# Altium PCB pico-fmeter-AS65-2.PcbDoc (part 1 of 3) (continued)
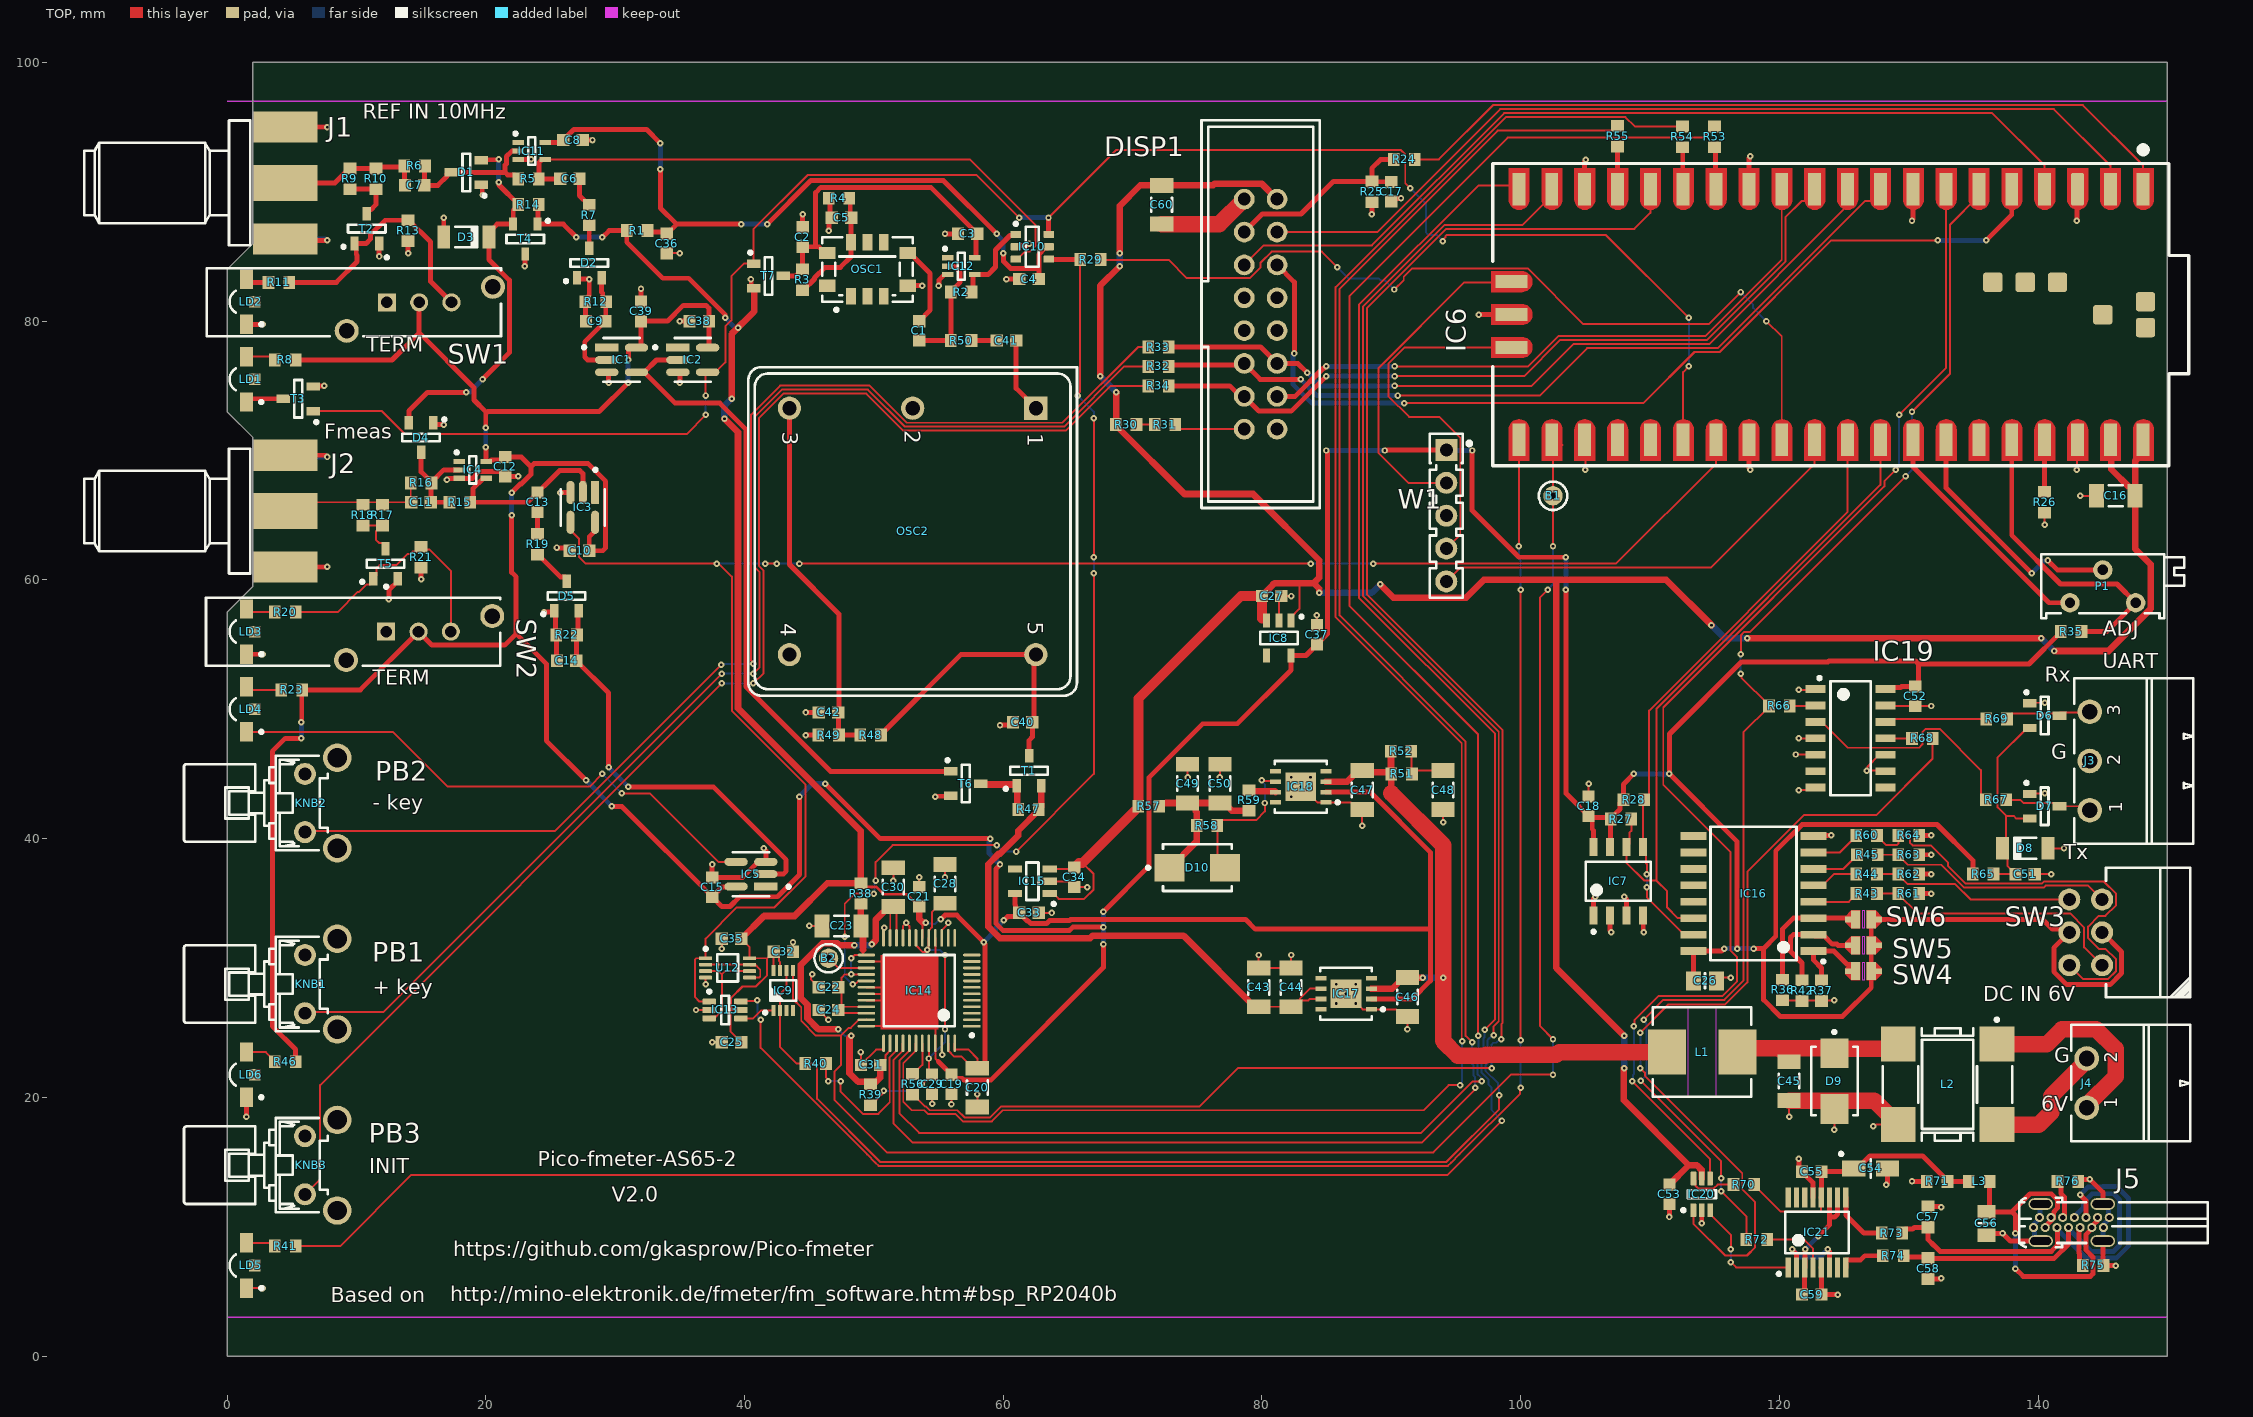
[diagram p0: TOP view]
## Components (designator, comment, footprint, x,y, rotation, side; value= is the part's Value field where it differs from the comment) (continued)
R18 "100" RESC1608X55N 10.5,65 r90 top
R19 "330" RESC1608X55N 24,62.75 r270 top
R20 "470" RESC1608X55N 4.5,57.5 r0 top
R21 "10k" RESC1608X55N 15,61.75 r90 top
R22 "1M" RESC1608X55N 26.25,55.75 r0 top
R23 "470" RESC1608X55N 5,51.5 r0 top
R24 "1k" RESC1608X55N 91,92.5 r0 top
R25 "330" RESC1608X55N 88.5,90 r90 top
R26 "0" RESC1608X55N 140.5,66 r270 top
R27 "3k3" RESC1608X55N 107.75,41.5 r180 top
R28 "3k3" RESC1608X55N 108.75,43 r180 top
R29 "Undefined" RESC1608X55N 66.75,84.75 r180 top
R30 "100" RESC1608X55N 69.5,72 r0 top
R31 "100" RESC1608X55N 72.5,72 r0 top
R32 "3k3" RESC1608X55N 72,76.5 r0 top
R33 "3k3" RESC1608X55N 72,78 r0 top
R34 "3k3" RESC1608X55N 72,75 r0 top
R35 "0" RESC1608X55N 142.55,56 r180 top
R36 "10k" RESC1608X55N 120.25,28.3 r90 top
R37 "10k" RESC1608X55N 123.25,28.25 r90 top
R38 "10" RESC1608X55N 49,35.75 r90 top
R39 "10" RESC1608X55N 49.75,20.2 r90 top
R40 "3k3" RESC1608X55N 45.5,22.612 r0 top
R41 "470" RESC1608X55N 4.5,8.5 r0 top
R42 "10k" RESC1608X55N 121.75,28.25 r90 top
R43 "470" RESC1608X55N 126.75,35.75 r0 top
R44 "470" RESC1608X55N 126.75,37.25 r0 top
R45 "470" RESC1608X55N 126.8,38.75 r0 top
R46 "470" RESC1608X55N 4.5,22.75 r0 top
R47 "10k" RESC1608X55N 61.95,42.25 r0 top
R48 "10k" RESC1608X55N 49.75,48 r0 top
R49 "10k" RESC1608X55N 46.5,48 r0 top
R50 "330" RESC1608X55N 56.75,78.5 r0 top
R51 "1" RESC1608X55N 90.8,45 r180 top
R52 "1" RESC1608X55N 90.75,46.75 r180 top
R53 "33" RESC1608X55N 115,94.25 r270 top
R54 "33" RESC1608X55N 112.5,94.25 r270 top
R55 "33" RESC1608X55N 107.5,94.3 r270 top
R56 "33" RESC1608X55N 53,21 r90 top
R57 "0" RESC1608X55N 71.25,42.5 r180 top
R58 "Undefined" RESC1608X55N 75.75,41 r180 top
R59 "470" RESC1608X55N 79,42.95 r270 top
R60 "470" RESC1608X55N 126.75,40.25 r0 top
R61 "10k" RESC1608X55N 130,35.75 r180 top
R62 "10k" RESC1608X55N 130,37.25 r180 top
R63 "10k" RESC1608X55N 130,38.75 r180 top
R64 "10k" RESC1608X55N 130,40.25 r180 top
R65 "470" RESC1608X55N 135.75,37.25 r180 top
R66 "470" RESC1608X55N 120,50.25 r0 top
R67 "330" RESC1608X55N 136.75,43 r0 top
R68 "470" RESC1608X55N 131.05,47.75 r0 top
R69 "330" RESC1608X55N 136.8,49.25 r0 top
R70 "470" RESC1608X55N 117.25,13.25 r0 top
R71 "470" RESC1608X55N 132.2,13.5 r0 top
R72 "470" RESC1608X55N 118.25,9 r0 top
R73 "27" RESC1608X55N 128.7,9.5 r0 top
R74 "27" RESC1608X55N 128.8,7.75 r0 top
R75 "5k1" RESC1608X55N 144.25,7 r180 top
R76 "5k1" RESC1608X55N 142.3,13.5 r0 top
SW1 "LC1258EENP" FP-LC1258EENP-MFG 9.8,81.45 r180 top locked
SW2 "LC1258EENP" FP-LC1258EENP-MFG 9.75,56 r180 top locked
SW3 "HEX" SW_APEM_PT65106L254 148.5,32.75 r180 top
SW4 "Switch" JUMPSMD0805_G50 126.5,29.75 r180 top
SW5 "Switch" JUMPSMD0805_G50 126.5,31.75 r180 top
SW6 "Switch" JUMPSMD0805_G50 126.5,33.75 r180 top
T1 "BSS84LT1G" SOT95P240X110-3N 62,45.25 r90 top
T2 "BSS138LT1G" SOT95P240X110-3N 10.8,87.15 r90 top
T3 "BSS138LT1G" SOT95P240X110-3N 5.5,74 r180 top
T4 "BC807-25" SOT95P230X110-3N 23.05,86.35 r270 top
T5 "BSS138LT1G" SOT95P240X110-3N 12.25,61.25 r90 top
T6 "BSS138LT1G" SOT95P240X110-3N 57.1,44.25 r0 top
T7 "BSS84LT1G" SOT95P240X110-3N 41.85,83.5 r0 top
U12 "SN74AUP2G80DCUR" DCU0008A_M 38.7,30 r0 top
W1 "Header 5" SAMTEC_HTSW-105-23-L-S 94.25,70.04 r270 top

## Footprints (in the part's own frame and the unit in brackets; to place one, negate y for a bottom-side part, rotate by r counter-clockwise, add the part's x,y. Pads: shape width x height; smd on the part's side, far side on the other; paste and mask are expansions set on the pad)
c150h50 [mm] "Plated Through Hole: Hole Dia.=0.5mm Pad Dia.=1.5mm"
  round 1.5 hole 0.5: 1(0,0)
  silkscreen extent -1.1,-1.1 1.1,1.1
CAPC1608X87N [mm] "Chip Capacitor, Body 1.6x0.8mm IPC Medium Density"
  rect 0.95x1 smd: 1(-0.8,0) 2(0.8,0)
  body extent -0.87,-0.47 0.88,0.48, height 0.87
CAPC1608X90N [mm] "Chip Capacitor, Body 1.6x0.8mm IPC Medium Density"
  rect 0.95x0.95 smd: 1(-0.75,0) 2(0.75,0)
  body extent -0.85,-0.45 0.85,0.45, height 0.9
CAPC2012X88N [mm] "Chip Capacitor, Body 2.0x1.25mm, IPC Medium Density"
  rect 1.15x1.45 smd: 1(-0.9,0) 2(0.9,0)
  silkscreen extent 0,-0.58 0,0.58, body extent -1.05,-0.67 1.05,0.68, height 0.9
CAPC2012X135N [mm] "Chip Capacitor, Body 2.0x1.25mm, IPC Medium Density"
  rect 1.05x1.4 smd: 1(-0.9,0) 2(0.9,0)
  silkscreen extent 0,-0.58 0,0.58, body extent -1.05,-0.67 1.05,0.68, height 1.25
CAPC3216X180N [mm] "Chip Capacitor, Body 3.2x1.6mm, IPC Medium Density"
  rect 1.15x1.8 smd: 1(-1.5,0) 2(1.5,0)
  silkscreen extent -0.55,-0.8 0.55,0.8, body extent -1.7,-0.9 1.7,0.9, height 1.8
CAPMP3216X180N [mm] "Capacitor, Polarized, Molded  Body 3.2x1.6mm, IPC Medium Density"
  rect 1.8x1.25 smd: 1(-1.3,0) 2(1.3,0)
  silkscreen extent -2.4,-0.7 0,1.25, body extent -1.7,-0.9 1.7,0.9, height 1.6
DBV0006A_L [mm] "SOT23, 6-Leads, Body 3.05x1.75mm, Pitch 0.95mm, IPC High Density"
  rrect18% 0.8x0.55 smd: 1(-1.275,0.95) 2(-1.275,0) 3(-1.275,-0.95) 4(1.275,-0.95) 5(1.275,0) 6(1.275,0.95)
  silkscreen extent -1.4,-1.55 0.5,1.9, body extent -1.42,-1.46 1.42,1.46, height 1.11
DCK0006A_M [mm] "SOT23, 6-Leads, Body 2.15x1.4mm, Pitch 0.65mm, IPC Low Density"
  rrect22% 1.05x0.45 smd: 1(-1.225,0.65) 2(-1.225,0) 3(-1.225,-0.65) 4(1.225,-0.65) 5(1.225,0) 6(1.225,0.65)
  silkscreen extent -1.35,-1.1 0.3,1.55, body extent -1.14,-1 1.14,1, height 0.94
DCU0008A_M [mm] "SOP, 8-Leads, Body 2.4x2.1mm, Pitch 0.5mm, IPC Low Density"
  rrect33% 1x0.3 smd: 1(-1.7,0.75) 2(-1.7,0.25) 3(-1.7,-0.25) 4(-1.7,-0.75) 5(1.7,-0.75) 6(1.7,-0.25) 7(1.7,0.25) 8(1.7,0.75)
  silkscreen extent -1.82,-1.05 0.8,1.6, body extent -1.56,-1 1.56,1, height 0.9
DIOM5336X265N [mm] "DO-214-AA/SMB Diode, Molded Body; 5.34mm L X 3.625mm W X 2.65mm H, IPC Medium Density"
  rect 2.3x2.15 smd: 1(-2.15,0) 2(2.15,0)
  silkscreen extent -3.92,-1.8 2.65,1.8, body extent -2.7,-1.95 2.7,1.95, height 2.4
DIOMELF3515N [mm] "SOD80C, MELF Diode, 2-Leads, Body 3.5x1.5mm, IPC Medium Density"
  rect 1x1.75 smd: 1(-1.75,0) 2(1.75,0)
  silkscreen extent -0.85,-0.8 0.85,0.8, body extent -1.85,-0.8 1.85,0.8, height 1.6
FP-AS6501-FLQM-IPC_C [mm]
  rect 1.355x0.212 smd paste+0 mask+0: 1(-4.075,2.75)
  rrect100% 1.355x0.212 smd paste+0 mask+0: 2(-4.075,2.25) 3(-4.075,1.75) 4(-4.075,1.25) 5(-4.075,0.75) 6(-4.075,0.25) 7(-4.075,-0.25) 8(-4.075,-0.75) 9(-4.075,-1.25) 10(-4.075,-1.75) 11(-4.075,-2.25) 12(-4.075,-2.75) 25(4.075,-2.75) 26(4.075,-2.25) 27(4.075,-1.75) 28(4.075,-1.25) 29(4.075,-0.75) 30(4.075,-0.25) 31(4.075,0.25) 32(4.075,0.75) 33(4.075,1.25) 34(4.075,1.75) 35(4.075,2.25) 36(4.075,2.75)
  rrect100% 0.212x1.355 smd paste+0 mask+0: 13(-2.75,-4.075) 14(-2.25,-4.075) 15(-1.75,-4.075) 16(-1.25,-4.075) 17(-0.75,-4.075) 18(-0.25,-4.075) 19(0.25,-4.075) 20(0.75,-4.075) 21(1.25,-4.075) 22(1.75,-4.075) 23(2.25,-4.075) 24(2.75,-4.075) 37(2.75,4.075) 38(2.25,4.075) 39(1.75,4.075) 40(1.25,4.075) 41(0.75,4.075) 42(0.25,4.075) 43(-0.25,4.075) 44(-0.75,4.075) 45(-1.25,4.075) 46(-1.75,4.075) 47(-2.25,4.075) 48(-2.75,4.075)
  silkscreen extent -4.2,-2.75 2.75,3.58, body extent -4.85,-4.85 4.85,4.85, height 0.25
FP-DBV0005A-IPC_A [mm]
  rect 1.805x0.612 smd paste+0 mask+0: 1(-1.15,0.95)
  rrect100% 1.805x0.612 smd paste+0 mask+0: 2(-1.15,0) 3(-1.15,-0.95) 4(1.15,-0.95) 5(1.15,0.95)
  silkscreen extent -3.03,-1.7 1.4,1.7, body extent -2.55,-1.95 2.55,1.95, height 0.25
FP-LC1258EENP-MFG [mm]
  rect 1.4x1.4 hole 0.9 paste-2539.97 mask+0: 1(-2.55,0)
  round 1.4 hole 0.9 paste-2539.97 mask+0: 2(-5.05,0) 3(-7.55,0)
  round 1.85 hole 1.2 paste-2539.97 mask+0: 4(0.55,2.2) 5(-10.75,-1.2)
  silkscreen extent -11.37,-3.6 11.37,2.63, body extent -11.78,-2.73 11.48,3.22, height 0.25
FP-SO8N-SO-A-MFG [mm]
  rect 1.4x0.6 smd paste+0 mask+0: 1(-2.65,1.905) 2(-2.65,0.635) 3(-2.65,-0.635) 4(-2.65,-1.905) 5(2.65,-1.905) 6(2.65,-0.635) 7(2.65,0.635) 8(2.65,1.905)
  silkscreen extent -4.02,-2.5 1.5,2.5, body extent -3.45,-2.6 3.45,2.6, height 0.25
IDC_16_male [mm] "IDC 2x13 PCB male connector"
  round 1.6 hole 1: 1(-8.89,-1.27) 2(-8.89,1.27) 3(-6.35,-1.27) 4(-6.35,1.27) 5(-3.81,-1.27) 6(-3.81,1.27) 7(-1.27,-1.27) 8(-1.27,1.27) 9(1.27,-1.27) 10(1.27,1.27) 11(3.81,-1.27) 12(3.81,1.27) 13(6.35,-1.27) 14(6.35,1.27) 15(8.89,-1.27) 16(8.89,1.27)
  silkscreen extent -14.99,-4.57 14.99,4.57, body extent -13.82,-4.11 13.82,4.52, height 9.65
IND_BOURNS_SRF1006 [mm] "SMD Inductor Body Width 10mm Body Lenght 7.4mm Height 6.5mm"
  rect 2.7x2.7 smd: 1(-3.81,-3.11) 2(3.81,-3.11) 3(3.81,3.11) 4(-3.81,3.11)
  silkscreen extent -5,-5.12 5,4.35, body extent -5,-4.35 5,4.35, height 6.5
IND_WURTH_WE-LHMI_7050 [mm] "SMD Power Inductor (We-LHMI Series), Body 7.6x6.9mm"
  rect 2.95x3.5 smd: 1(-2.725,0) 2(2.725,0)
  TOP keep-out region: 1.1,-3.45 1.1,3.45 -1.1,3.45 -1.1,-3.45
  silkscreen extent -3.8,-3.45 3.8,3.45, body extent -3.65,-3.3 3.65,3.3, height 4.8
INDC1608X75N [mm] "Chip Inductor, 2-Leads, EIA 0603, Metric 1608, Body 1.6x0.8mm, IPC Medium Density"
  rect 0.9x1 smd: 1(-0.8,0) 2(0.8,0)
  body extent -0.87,-0.47 0.88,0.48, height 0.7
JOHNSON_142-0701-871 [mm] "SMA End Launch Straight Bulkhead Jack Receptacle - Round Contact"
  rect 5x2.794 smd paste-2539.97: 1(0,0)
  rect 5x2.4 smd paste-2539.97: 2(0,-4.317) 2(0,4.317)
  rect 5x2.4 smd far side paste-2539.97: 2(0,-4.317) 2(0,4.317)
  silkscreen extent -15.53,-4.83 -2.7,4.83, body extent -15.53,-5.1 2.05,5.1, height 5.56
JUMPSMD0805_G50 [mm] "2 SMD Pads for Bound by Solder Drop - Equivalent Size 0805 - Gap 0.5mm"
  rect 0.475x0.45 smd paste-0.225: 1(-1.188,0) 2(1.188,0)
  rect 0.7x1.4 smd paste-0.35: 1(-0.6,0) 2(0.6,0)
  TOP region: 0.25,-0.7 0.95,-0.7 1.425,-0.225 1.425,0.225 0.95,0.7 0.25,0.7
  TOP region: -0.25,0.7 -0.95,0.7 -1.425,0.225 -1.425,-0.225 -0.95,-0.7 -0.25,-0.7
  TOP keep-out region: -0.05,0.7 0.05,0.7 0.05,-0.7 -0.05,-0.7
KNB_OMRON_B32-2010_H [mm] "Black Knob For OMRON Push-Button Switch (Dia. 6mm L=5.5mm) Horizontal"
  silkscreen extent -3,-9.83 3,-4.33, body extent -2.99,-9.83 3.01,-4.33, height 7
KYCON_KUSBX-SL-CS1N14-B [mm] "USB 2.0 Type C Receptacle, High Temp., Flag Style Through Hole 14 Pin, Black"
  round 0.7 hole 0.4: A1(-0.39,-2.25) A4(-0.39,-1.35) A5(-0.39,-0.45) A6(-0.39,0.45) A7(-0.39,1.35) A9(-0.39,2.25) A12(-0.39,3.15) B1(0.39,2.7) B4(0.39,1.8) B5(0.39,0.9) B6(0.39,0) B7(0.39,-0.9) B9(0.39,-1.8) B12(0.39,-2.7)
  oval 0.9x1.9 hole 0.6 slot 1.6 at 90 deg: SHIELD(-1.43,2.6) SHIELD(-1.43,-2.2) SHIELD(1.43,2.6) SHIELD(1.43,-2.2)
  silkscreen extent -1.9,-10.3 1.9,4.25, body extent -1.9,-10.3 1.9,4.25, height 9.04
LED_AVAGO_HSME-C110 [mm] "Green Chip LED, 2-Leads, Body 3.3x1.6mm, Side Emitting Package"
  rect 1.5x1 smd: 1(-1.75,0) 2(1.75,0)
  rect 0.9x0.9 smd: 3(0,-0.65)
  silkscreen extent -1.87,-1.28 0.86,1.3, body extent -1.65,-0.3 1.65,1.3, height 1
OSC_CONNOR-WINFIELD_D75 [mm] "SMD TCXO, Side Concave, 10 pins, 5.00x7.00mm, D75 Serie"
  rect 1.28x0.76 smd: 1(-2.09,1.27) 2(-2.09,0) 3(-2.09,-1.27) 6(2.09,-1.27) 7(2.09,0) 8(2.09,1.27)
  rect 0.94x1.28 smd: 4(-1.27,-3.105) 5(1.27,-3.105) 9(1.27,3.105) 10(-1.27,3.105)
  silkscreen extent -3.25,-3.5 2.5,3.5, body extent -2.5,-3.5 2.5,3.5, height 2
OSC_CONNOR-WINFIELD_OH100 [mm] "5 Pins, 25.4mm x 25.4mm, THD Oven Stabilized Oscillator OH100 Series"
  rect 1.8x1.8 hole 1.1: 1(-9.525,9.525)
  round 1.8 hole 1.1: 2(-9.525,0) 3(-9.525,-9.525) 4(9.525,-9.525) 5(9.525,9.525)
  silkscreen extent -12.7,-12.7 12.7,12.7, body extent -12.7,-12.7 12.7,12.7, height 12.7
PB_OMRON_B3F-3150 [mm] "7.3x6.25mm Model, Side-operated , Projected Plunger Type (without Ground Terminal) Pushbutton Switch, OMRON B3F Series"
  round 1.7 hole 1: 1(-2.25,-0.978) 2(2.25,-0.978)
  round 2.2 hole 1.5: 3(-3.5,1.522) 4(3.5,1.522)
  silkscreen extent -3.65,-7.13 3.65,0.77, body extent -4.35,-7.13 4.35,3.02, height 7.4
PHOENIX_1803277 [mm] "PHOENIX MC Serie, Pitch 3.81mm, 8A, 160V, 2 Positions Right Angled Header"
  round 1.9 hole 1.2: 1(-1.905,0) 2(1.905,0)
  silkscreen extent -4.51,-8 4.51,1.2, body extent -4.51,-8 4.5,1.3, height 7.25
PHOENIX_1803280 [mm] "PHOENIX MC Serie, Pitch 3.81mm, 8A, 160V, 3 Positions Right Angled Header"
  round 1.9 hole 1.2: 1(-3.81,0) 2(0,0) 3(3.81,0)
  silkscreen extent -6.41,-8 6.41,1.2, body extent -6.41,-8 6.41,1.3, height 7.25
RESC1608X55N [mm] "Chip Resistor, EIA 0603, Metric 1608, Body 1.6x0.8mm, IPC Medium Density"
  rect 0.9x1 smd: 1(-0.8,0) 2(0.8,0)
  body extent -0.87,-0.47 0.88,0.48, height 0.55
RPI-PICO-MOD [mm] "RASPBERRY PI PICO RP2040 BOARD"
  rect 2.5x1 smd mask+0.102: 1(-9.69,24.415) 2(-9.69,21.875) 4(-9.69,16.795) 5(-9.69,14.255) 6(-9.69,11.715) 7(-9.69,9.175) 8(-9.69,6.635) 9(-9.69,4.095) 10(-9.69,1.555) 11(-9.69,-0.985) 12(-9.69,-3.525) 13(-9.69,-6.065) 14(-9.69,-8.605) 15(-9.69,-11.145) 16(-9.69,-13.685) 17(-9.69,-16.225) 18(-9.69,-18.765) 19(-9.69,-21.305) 20(-9.69,-23.845)
  rrect25% 2.5x1 smd mask+0.102: 3(-9.69,19.335)
  rect 2.5x1 smd: 21(9.69,-23.845) 22(9.69,-21.305) 23(9.69,-18.765) 24(9.69,-16.225) 25(9.69,-13.685) 26(9.69,-11.145) 27(9.69,-8.605) 28(9.69,-6.065) 29(9.69,-3.525) 30(9.69,-0.985) 31(9.69,1.555) 32(9.69,4.095) 33(9.69,6.635) 34(9.69,9.175) 35(9.69,11.715) 36(9.69,14.255) 37(9.69,16.795) 38(9.69,19.335) 39(9.69,21.875) 40(9.69,24.415)
  rect 1x2.5 smd: 41(-2.54,-24.415) 42(0,-24.415) 43(2.54,-24.415)
  rrect30% 1.5x1.5 smd: 44(0.01,21.292) 45(1.01,24.592) 46(-0.99,24.592) 47(-2.49,17.792) 48(-2.49,15.292) 49(-2.49,12.792)
  TOP region: -1.74,-25.999 -3.34,-25.999 -3.34,-23.599 -3.34,-23.599 -3.261,-23.252 -3.039,-22.974 -2.718,-22.819 -2.362,-22.819 -2.041,-22.974 -1.819,-23.252 -1.74,-23.599 -1.74,-23.599
  TOP region: 0.8,-25.999 -0.8,-25.999 -0.8,-23.599 -0.8,-23.599 -0.721,-23.252 -0.499,-22.974 -0.178,-22.819 0.178,-22.819 0.499,-22.974 0.721,-23.252 0.8,-23.599 0.8,-23.599
  TOP region: 3.34,-25.999 1.74,-25.999 1.74,-23.599 1.74,-23.599 1.819,-23.252 2.041,-22.974 2.362,-22.819 2.718,-22.819 3.039,-22.974 3.261,-23.252 3.34,-23.599 3.34,-23.599
  TOP region: -11.292,-24.629 -11.292,-23.029 -8.892,-23.029 -8.892,-23.029 -8.545,-23.108 -8.267,-23.33 -8.112,-23.651 -8.112,-24.007 -8.267,-24.328 -8.545,-24.55 -8.892,-24.629 -8.892,-24.629
  TOP region: -11.292,-22.089 -11.292,-20.489 -8.892,-20.489 -8.892,-20.489 -8.545,-20.568 -8.267,-20.79 -8.112,-21.111 -8.112,-21.467 -8.267,-21.788 -8.545,-22.01 -8.892,-22.089 -8.892,-22.089
  TOP region: -11.292,-19.549 -11.292,-17.949 -8.892,-17.949 -8.892,-17.949 -8.545,-18.028 -8.267,-18.25 -8.112,-18.571 -8.112,-18.927 -8.267,-19.248 -8.545,-19.47 -8.892,-19.549 -8.892,-19.549
  TOP region: -11.292,-17.009 -11.292,-15.409 -8.892,-15.409 -8.892,-15.409 -8.545,-15.488 -8.267,-15.71 -8.112,-16.031 -8.112,-16.387 -8.267,-16.708 -8.545,-16.93 -8.892,-17.009 -8.892,-17.009
  TOP region: -11.292,-14.469 -11.292,-12.869 -8.892,-12.869 -8.892,-12.869 -8.545,-12.948 -8.267,-13.17 -8.112,-13.491 -8.112,-13.847 -8.267,-14.168 -8.545,-14.39 -8.892,-14.469 -8.892,-14.469
  TOP region: -11.292,-11.929 -11.292,-10.329 -8.892,-10.329 -8.892,-10.329 -8.545,-10.408 -8.267,-10.63 -8.112,-10.951 -8.112,-11.307 -8.267,-11.628 -8.545,-11.85 -8.892,-11.929 -8.892,-11.929
  TOP region: -11.292,-9.389 -11.292,-7.789 -8.892,-7.789 -8.892,-7.789 -8.545,-7.868 -8.267,-8.09 -8.112,-8.411 -8.112,-8.767 -8.267,-9.088 -8.545,-9.31 -8.892,-9.389 -8.892,-9.389
  TOP region: -11.292,-6.849 -11.292,-5.249 -8.892,-5.249 -8.892,-5.249 -8.545,-5.328 -8.267,-5.55 -8.112,-5.871 -8.112,-6.227 -8.267,-6.548 -8.545,-6.77 -8.892,-6.849 -8.892,-6.849
  TOP region: -11.292,-4.309 -11.292,-2.709 -8.892,-2.709 -8.892,-2.709 -8.545,-2.788 -8.267,-3.01 -8.112,-3.331 -8.112,-3.687 -8.267,-4.008 -8.545,-4.23 -8.892,-4.309 -8.892,-4.309
  TOP region: -11.292,-1.769 -11.292,-0.169 -8.892,-0.169 -8.892,-0.169 -8.545,-0.248 -8.267,-0.47 -8.112,-0.791 -8.112,-1.147 -8.267,-1.468 -8.545,-1.69 -8.892,-1.769 -8.892,-1.769
  TOP region: -11.292,0.771 -11.292,2.371 -8.892,2.371 -8.892,2.371 -8.545,2.292 -8.267,2.07 -8.112,1.749 -8.112,1.393 -8.267,1.072 -8.545,0.85 -8.892,0.771 -8.892,0.771
  TOP region: -11.292,3.311 -11.292,4.911 -8.892,4.911 -8.892,4.911 -8.545,4.832 -8.267,4.61 -8.112,4.289 -8.112,3.933 -8.267,3.612 -8.545,3.39 -8.892,3.311 -8.892,3.311
  TOP region: -11.292,5.851 -11.292,7.451 -8.892,7.451 -8.892,7.451 -8.545,7.372 -8.267,7.15 -8.112,6.829 -8.112,6.473 -8.267,6.152 -8.545,5.93 -8.892,5.851 -8.892,5.851
  TOP region: -11.292,8.391 -11.292,9.991 -8.892,9.991 -8.892,9.991 -8.545,9.912 -8.267,9.69 -8.112,9.369 -8.112,9.013 -8.267,8.692 -8.545,8.47 -8.892,8.391 -8.892,8.391
  TOP region: -11.292,10.931 -11.292,12.531 -8.892,12.531 -8.892,12.531 -8.545,12.452 -8.267,12.23 -8.112,11.909 -8.112,11.553 -8.267,11.232 -8.545,11.01 -8.892,10.931 -8.892,10.931
  TOP region: -11.292,13.471 -11.292,15.071 -8.892,15.071 -8.892,15.071 -8.545,14.992 -8.267,14.77 -8.112,14.449 -8.112,14.093 -8.267,13.772 -8.545,13.55 -8.892,13.471 -8.892,13.471
  TOP region: -11.292,16.011 -11.292,17.611 -8.892,17.611 -8.892,17.611 -8.545,17.532 -8.267,17.31 -8.112,16.989 -8.112,16.633 -8.267,16.312 -8.545,16.09 -8.892,16.011 -8.892,16.011
  TOP region: -11.292,18.551 -11.292,20.151 -8.892,20.151 -8.892,20.151 -8.545,20.072 -8.267,19.85 -8.112,19.529 -8.112,19.173 -8.267,18.852 -8.545,18.63 -8.892,18.551 -8.892,18.551
  TOP region: -11.292,21.091 -11.292,22.691 -8.892,22.691 -8.892,22.691 -8.545,22.612 -8.267,22.39 -8.112,22.069 -8.112,21.713 -8.267,21.392 -8.545,21.17 -8.892,21.091 -8.892,21.091
  TOP region: -11.292,23.631 -11.292,25.231 -8.892,25.231 -8.892,25.231 -8.545,25.152 -8.267,24.93 -8.112,24.609 -8.112,24.253 -8.267,23.932 -8.545,23.71 -8.892,23.631 -8.892,23.631
  TOP region: 11.292,23.631 11.292,25.231 8.892,25.231 8.892,25.231 8.545,25.152 8.267,24.93 8.112,24.609 8.112,24.253 8.267,23.932 8.545,23.71 8.892,23.631 8.892,23.631
  TOP region: 11.292,21.091 11.292,22.691 8.892,22.691 8.892,22.691 8.545,22.612 8.267,22.39 8.112,22.069 8.112,21.713 8.267,21.392 8.545,21.17 8.892,21.091 8.892,21.091
  TOP region: 11.292,18.551 11.292,20.151 8.892,20.151 8.892,20.151 8.545,20.072 8.267,19.85 8.112,19.529 8.112,19.173 8.267,18.852 8.545,18.63 8.892,18.551 8.892,18.551
  TOP region: 11.292,16.011 11.292,17.611 8.892,17.611 8.892,17.611 8.545,17.532 8.267,17.31 8.112,16.989 8.112,16.633 8.267,16.312 8.545,16.09 8.892,16.011 8.892,16.011
  TOP region: 11.292,13.471 11.292,15.071 8.892,15.071 8.892,15.071 8.545,14.992 8.267,14.77 8.112,14.449 8.112,14.093 8.267,13.772 8.545,13.55 8.892,13.471 8.892,13.471
  TOP region: 11.292,10.931 11.292,12.531 8.892,12.531 8.892,12.531 8.545,12.452 8.267,12.23 8.112,11.909 8.112,11.553 8.267,11.232 8.545,11.01 8.892,10.931 8.892,10.931
  TOP region: 11.292,8.391 11.292,9.991 8.892,9.991 8.892,9.991 8.545,9.912 8.267,9.69 8.112,9.369 8.112,9.013 8.267,8.692 8.545,8.47 8.892,8.391 8.892,8.391
  TOP region: 11.292,5.851 11.292,7.451 8.892,7.451 8.892,7.451 8.545,7.372 8.267,7.15 8.112,6.829 8.112,6.473 8.267,6.152 8.545,5.93 8.892,5.851 8.892,5.851
  TOP region: 11.292,3.311 11.292,4.911 8.892,4.911 8.892,4.911 8.545,4.832 8.267,4.61 8.112,4.289 8.112,3.933 8.267,3.612 8.545,3.39 8.892,3.311 8.892,3.311
  TOP region: 11.292,0.771 11.292,2.371 8.892,2.371 8.892,2.371 8.545,2.292 8.267,2.07 8.112,1.749 8.112,1.393 8.267,1.072 8.545,0.85 8.892,0.771 8.892,0.771
  TOP region: 11.292,-1.769 11.292,-0.169 8.892,-0.169 8.892,-0.169 8.545,-0.248 8.267,-0.47 8.112,-0.791 8.112,-1.147 8.267,-1.468 8.545,-1.69 8.892,-1.769 8.892,-1.769
  TOP region: 11.292,-4.309 11.292,-2.709 8.892,-2.709 8.892,-2.709 8.545,-2.788 8.267,-3.01 8.112,-3.331 8.112,-3.687 8.267,-4.008 8.545,-4.23 8.892,-4.309 8.892,-4.309
  TOP region: 11.292,-6.849 11.292,-5.249 8.892,-5.249 8.892,-5.249 8.545,-5.328 8.267,-5.55 8.112,-5.871 8.112,-6.227 8.267,-6.548 8.545,-6.77 8.892,-6.849 8.892,-6.849
  TOP region: 11.292,-9.389 11.292,-7.789 8.892,-7.789 8.892,-7.789 8.545,-7.868 8.267,-8.09 8.112,-8.411 8.112,-8.767 8.267,-9.088 8.545,-9.31 8.892,-9.389 8.892,-9.389
  TOP region: 11.292,-11.929 11.292,-10.329 8.892,-10.329 8.892,-10.329 8.545,-10.408 8.267,-10.63 8.112,-10.951 8.112,-11.307 8.267,-11.628 8.545,-11.85 8.892,-11.929 8.892,-11.929
  TOP region: 11.292,-14.469 11.292,-12.869 8.892,-12.869 8.892,-12.869 8.545,-12.948 8.267,-13.17 8.112,-13.491 8.112,-13.847 8.267,-14.168 8.545,-14.39 8.892,-14.469 8.892,-14.469
  TOP region: 11.292,-17.009 11.292,-15.409 8.892,-15.409 8.892,-15.409 8.545,-15.488 8.267,-15.71 8.112,-16.031 8.112,-16.387 8.267,-16.708 8.545,-16.93 8.892,-17.009 8.892,-17.009
  TOP region: 11.292,-19.549 11.292,-17.949 8.892,-17.949 8.892,-17.949 8.545,-18.028 8.267,-18.25 8.112,-18.571 8.112,-18.927 8.267,-19.248 8.545,-19.47 8.892,-19.549 8.892,-19.549
  TOP region: 11.292,-22.089 11.292,-20.489 8.892,-20.489 8.892,-20.489 8.545,-20.568 8.267,-20.79 8.112,-21.111 8.112,-21.467 8.267,-21.788 8.545,-22.01 8.892,-22.089 8.892,-22.089
  TOP region: 11.292,-24.629 11.292,-23.029 8.892,-23.029 8.892,-23.029 8.545,-23.108 8.267,-23.33 8.112,-23.651 8.112,-24.007 8.267,-24.328 8.545,-24.55 8.892,-24.629 8.892,-24.629
  silkscreen extent -12.99,-25.88 11.68,27.94, body extent -10.49,-25.21 10.51,27.22, height 3.69
SAMTEC_HTSW-105-23-L-S [mm] "5 Contacts - Pitch 2.54mm - Single Row  Through Mount Straigh Header (Post Lead 5.84mm, Tail Lead 2.92mm, Insulator 2.54mm)"
  rect 1.7x1.7 hole 1: 1(0,0)
  round 1.7 hole 1: 2(2.54,0) 3(5.08,0) 4(7.62,0) 5(10.16,0)
  silkscreen extent -1.27,-1.27 11.43,1.93, body extent -1.27,-1.27 11.43,1.27, height 8.38
SOIC127P600X175-14N [mm] "SOIC 14, Pitch 1.27mm - Body 4x8.75mm, IPC Medium Density"
  rect 1.55x0.6 smd: 1(-2.7,3.81) 2(-2.7,2.54) 3(-2.7,1.27) 4(-2.7,0) 5(-2.7,-1.27) 6(-2.7,-2.54) 7(-2.7,-3.81) 8(2.7,-3.81) 9(2.7,-2.54) 10(2.7,-1.27) 11(2.7,0) 12(2.7,1.27) 13(2.7,2.54) 14(2.7,3.81)
  silkscreen extent -2.52,-4.4 1.55,4.78, body extent -3.1,-4.37 3.1,4.38, height 1.75
SOIC127P1030X265-16N [mm] "SOIC, 1.27mm Pitch; 16 Pin, 7.50mm W X 10.3mm L X 2.65mm H body, IPC Medium Density"
  rect 2x0.6 smd: 1(-4.65,4.445) 2(-4.65,3.175) 3(-4.65,1.905) 4(-4.65,0.635) 5(-4.65,-0.635) 6(-4.65,-1.905) 7(-4.65,-3.175) 8(-4.65,-4.445) 9(4.65,-4.445) 10(4.65,-3.175) 11(4.65,-1.905) 12(4.65,-0.635) 13(4.65,0.635) 14(4.65,1.905) 15(4.65,3.175) 16(4.65,4.445)
  silkscreen extent -5.53,-5.15 3.32,5.37, body extent -5.18,-5.25 5.18,5.25, height 1.68
SON80P400X400X100-9N-R221X239 [mm] "SON, 0.80mm Pitch, 8 Pin, 4mm X 4mm X 1.00mm H Body (w/Thermal Tab 2.21 X 2.39mm),  IPC Medium Density"
  rect 0.85x0.35 smd: 1(-1.95,1.2) 2(-1.95,0.4) 3(-1.95,-0.4) 4(-1.95,-1.2) 5(1.95,-1.2) 6(1.95,-0.4) 7(1.95,0.4) 8(1.95,1.2)
  rect 2.39x2.21 smd: 9(0,0)
  silkscreen extent -2.98,-2 2,2, body extent -2,-2 2,2, height 1
SOP50P310X90-8N [mm] "SOP, 0.50mm pitch; 8 pin, 2.30mm W X 2.00mm L X 0.90mm H body, PC Medium Density"
  rect 0.85x0.3 smd: 1(-1.55,0.75) 2(-1.55,0.25) 3(-1.55,-0.25) 4(-1.55,-0.75) 5(1.55,-0.75) 6(1.55,-0.25) 7(1.55,0.25) 8(1.55,0.75)
  silkscreen extent -1.82,-1 0.8,1.52, body extent -1.62,-1 1.62,1, height 0.9
SOP63P600X175-16N [mm] "SOP, 0.635mm Pitch; 16 Pin, 3.9mm W X 4.895mm L X 1.75mm H Body, IPC Medium Density"
  rect 1.55x0.4 smd: 1(-2.7,2.222) 2(-2.7,1.587) 3(-2.7,0.952) 4(-2.7,0.317) 5(-2.7,-0.318) 6(-2.7,-0.953) 7(-2.7,-1.588) 8(-2.7,-2.222) 9(2.7,-2.222) 10(2.7,-1.587) 11(2.7,-0.952) 12(2.7,-0.317) 13(2.7,0.318) 14(2.7,0.953) 15(2.7,1.588) 16(2.7,2.222)
  silkscreen extent -3.32,-2.45 1.6,3.07, body extent -3.13,-2.49 3.13,2.49, height 1.75
SOT65P212X110-5N [mm] "SOT353, SOT, 0.65mm Pitch, 5 pin, 1.25mm W X 2.05mm L X 1.10mm H, IPC Medium Density"
  rect 0.9x0.4 smd: 1(-1.05,0.65) 2(-1.05,0) 3(-1.05,-0.65) 4(1.05,-0.65) 5(1.05,0.65)
  silkscreen extent -1.37,-1.05 0.28,1.47, body extent -1.2,-1.1 1.2,1.1, height 1.1
SOT95P230X110-3N [mm] "SOT23, 3 pin, Pitch 0.95mm - 1.3mm W X 2.9mm L X 1.1mm H, IPC Medium Density"
  rect 1x0.6 smd: 1(-1.15,0.95) 2(-1.15,-0.95) 3(1.15,0)
  silkscreen extent -1.52,-1.45 0.33,1.88, body extent -1.08,-1.5 1.25,1.5, height 1.1
SOT95P240X110-3N [mm] "SOT23 3-Leads, Pitch 0.95mm, Body 1.3x2.9mm, IPC Medium Density"
  rect 1.05x0.65 smd: 1(-1.15,0.95) 2(-1.15,-0.95) 3(1.15,0)
  silkscreen extent -1.53,-1.45 0.3,1.92, body extent -1.25,-1.5 1.25,1.5, height 1.1
SOT95P280X100-5N [mm] "SOT23, 0.95mm pitch; 5 pin, 1.625mm W X 2.9mm L, IPC Medium Density"
  rect 1.1x0.55 smd: 1(-1.35,0.95) 2(-1.35,0) 3(-1.35,-0.95) 4(1.35,-0.95) 5(1.35,0.95)
  silkscreen extent -1.77,-1.45 0.48,1.88, body extent -1.4,-1.5 1.4,1.5, height 1
SW_APEM_PT65106L254 [mm] "Body 10x10mm, Right Angled Rotary Hexadecimal Code Switch Whith Screwdriver Actuator, APEM PT65 (CR65) Series"
  round 1.7 hole 1: 1(3.55,2.54) 2(6.09,-2.54) 4(3.55,-2.54) 8(6.09,2.54) C1(3.55,0) C2(6.09,0)
  silkscreen extent -3.25,-5 3.25,5, body extent -3.25,-5 6.23,5, height 10
TRIM_BOURNS_3296Z [mm] "Trimming Potentiometer BOURNS 3296Z Series"
  round 1.5 hole 0.8: 1(-2.54,-1.27) 2(0,1.27) 3(2.54,-1.27)
  silkscreen extent -4.77,-2.48 6.29,2.49, body extent -4.76,-2.47 6.29,2.49, height 10.03